# Altium PCB GDI V2.PcbDoc (part 1 of 2)
Units mil, origin at the board's own origin, x right, y up, seen from the top; angles counter-clockwise.
Board outline 3273.06 x 2662.82 mil, 2 copper layers (Top Layer, Bottom Layer); 93 components, 79 nets, 324 pads, 101 vias.
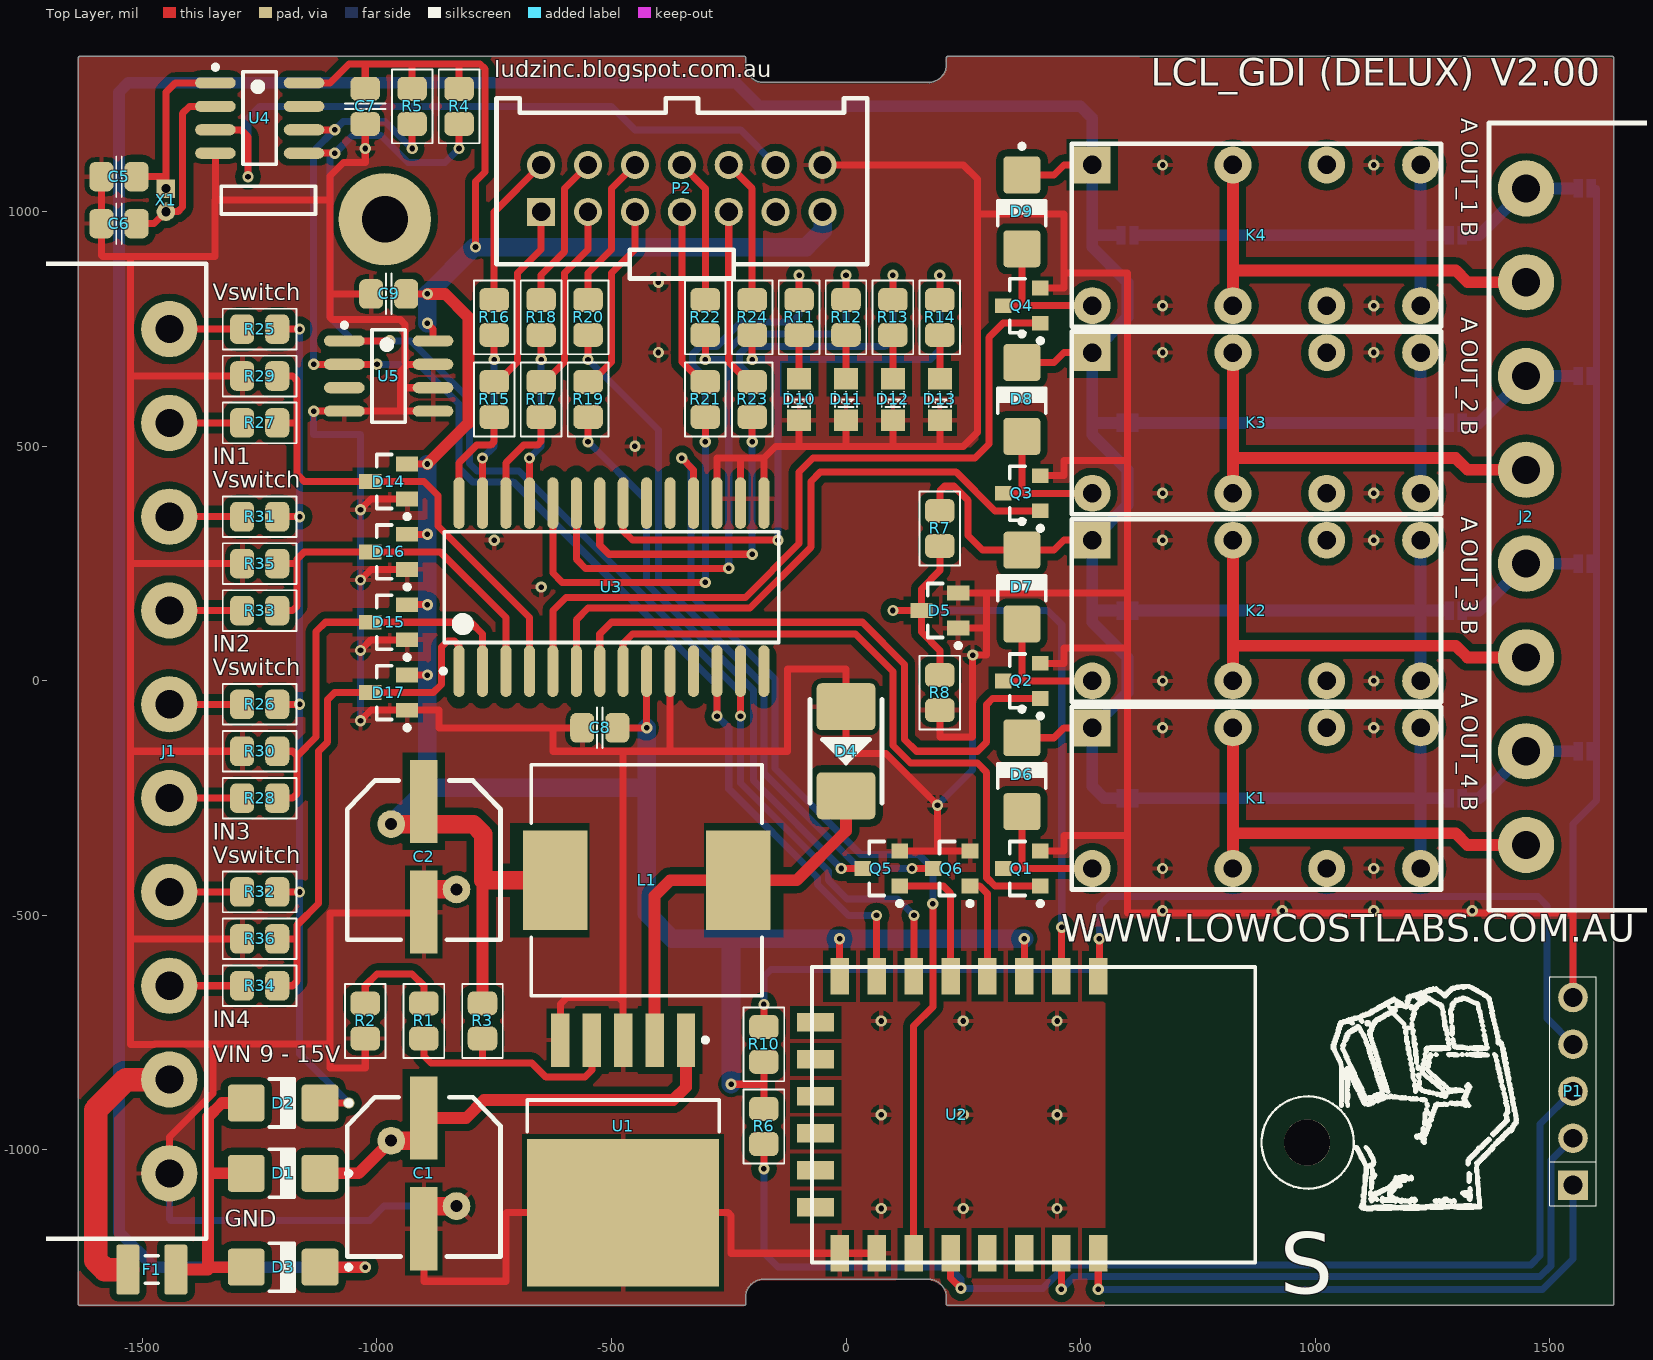
[diagram p0: Top Layer view]
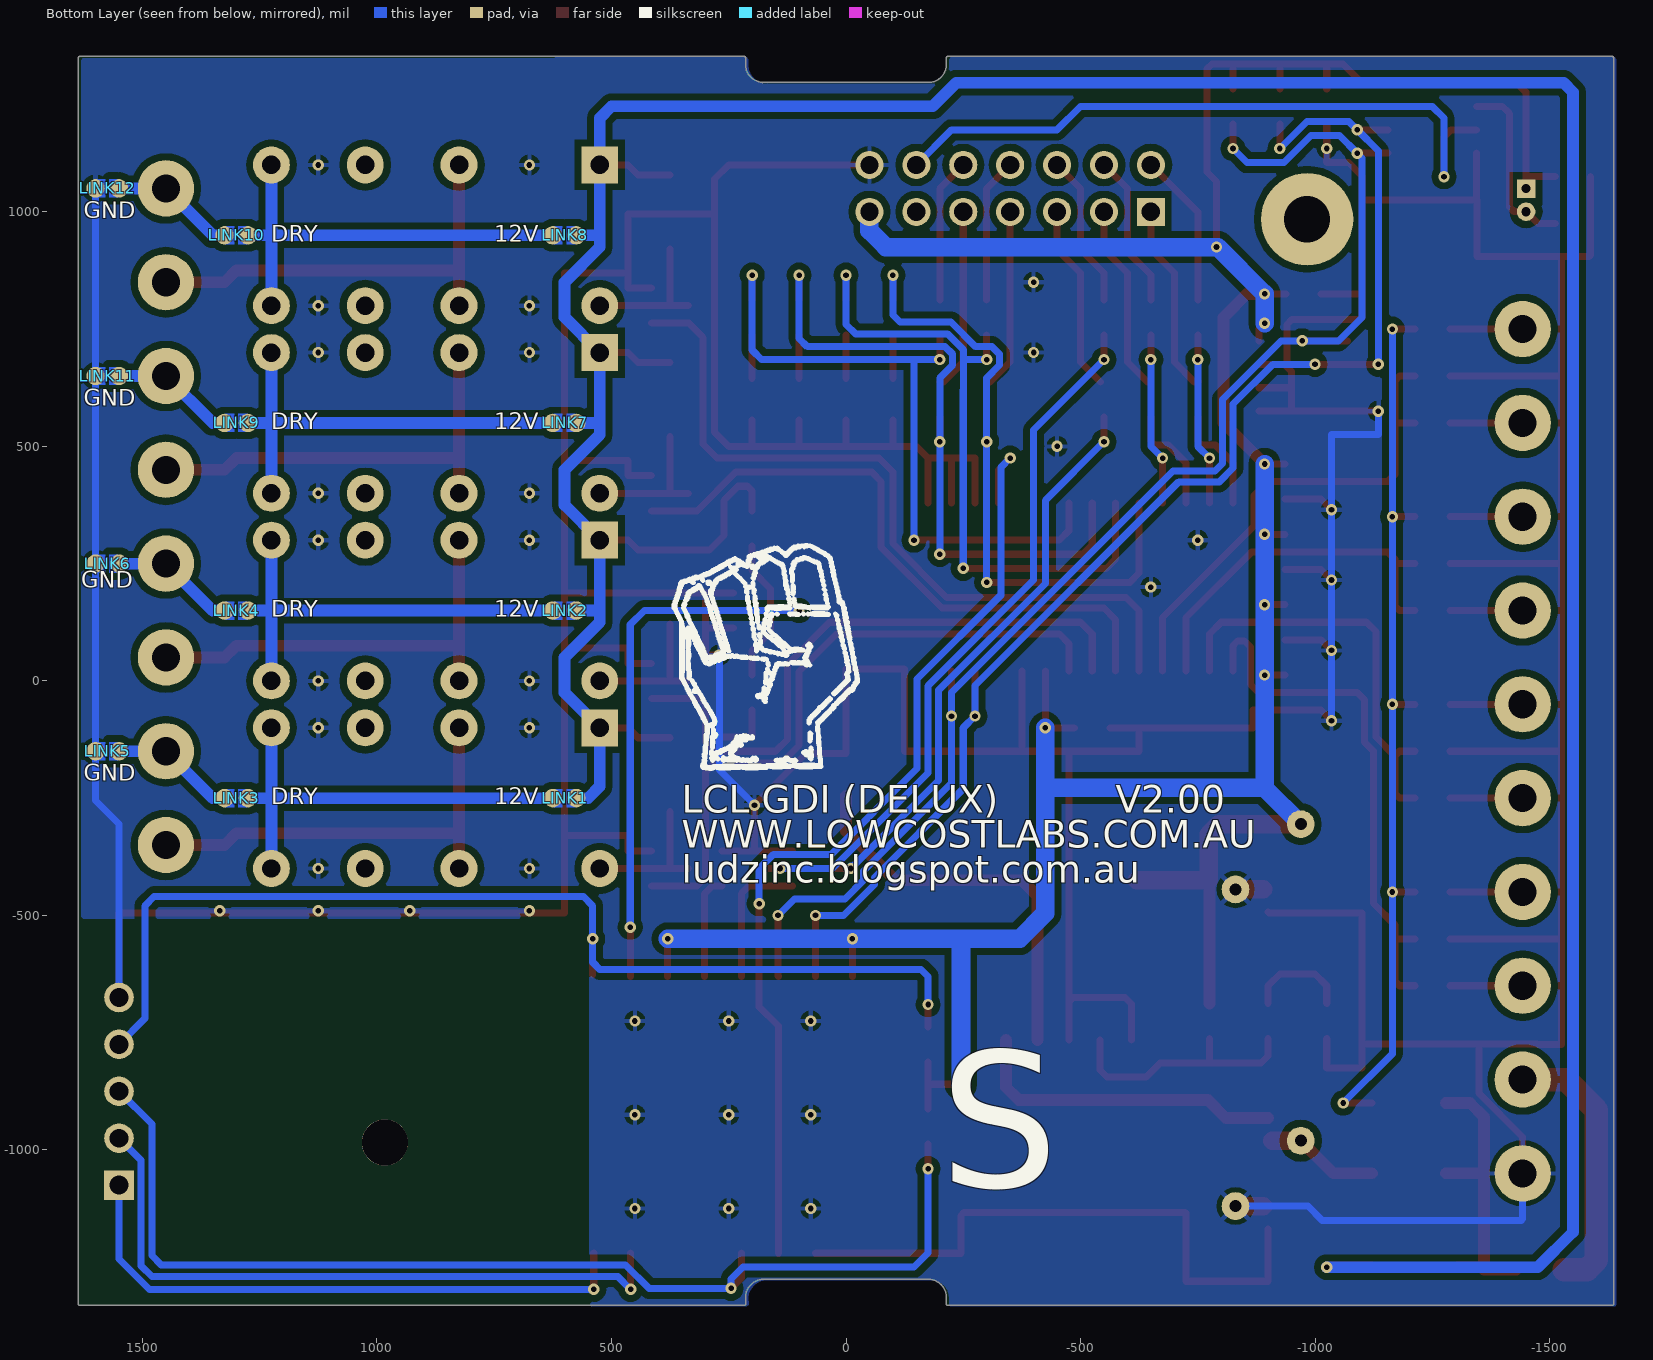
[diagram p1: Bottom Layer view, seen from below]

## Layer stack, top to bottom
Top Solder: solder mask 0.4, Solder Resist, Dk 3.5
Top Layer: signal copper 1.4
Dielectric 1: dielectric 12.6, FR-4, Dk 4.8
Bottom Layer: signal copper 1.4
Bottom Solder: solder mask 0.4, Solder Resist, Dk 3.5

## Board outline
-1634.02,-1331.41 -216.54,-1331.41 ccw(c-216.54,-1328.9) -214.02,-1328.9 -214.02,-1313 cw(c-180.93,-1313.09) -212.42,-1302.91 ccw(c-214.81,-1302.14) -212.41,-1302.89 cw(c-176.72,-1314.43) -208.17,-1293.99 ccw(c-210.27,-1292.6) -208.15,-1293.96 cw(c-174.58,-1315.62) -208.14,-1293.95 cw(c-174.58,-1315.62) -188,-1277.99 cw(c-174.58,-1315.62) -187.99,-1277.99 ccw(c-188.83,-1275.62) -187.98,-1277.98 cw(c-176.93,-1309.89) -179.78,-1276.25 ccw(c-180,-1273.74) -178.5,-1275.76 ccw(c-177.17,-1273.62) -177.17,-1276.14 177.16,-1276.14 cw(c177.07,-1309.22) 187.22,-1277.73 cw(c177.07,-1309.22) 187.24,-1277.74 ccw(c188.02,-1275.35) 187.27,-1277.75 ccw(c175.73,-1313.44) 187.25,-1277.74 cw(c188.02,-1275.35) 187.22,-1277.73 187.27,-1277.75 cw(c175.73,-1313.44) 196.19,-1282 ccw(c197.56,-1279.89) 196.22,-1282.02 cw(c174.54,-1315.57) 212.17,-1302.16 cw(c174.54,-1315.57) 212.17,-1302.17 ccw(c214.54,-1301.33) 212.17,-1302.17 cw(c180.27,-1313.23) 213.91,-1310.37 ccw(c216.42,-1310.16) 214.02,-1310.92 214.02,-1328.9 ccw(c216.54,-1328.9) 216.54,-1331.41 1634.02,-1331.41 ccw(c1634.02,-1328.9) 1636.53,-1328.9 1636.53,1328.9 ccw(c1634.02,1328.9) 1634.02,1331.41 216.54,1331.41 ccw(c216.54,1328.9) 214.02,1328.9 214.02,1313 cw(c180.93,1313.09) 212.42,1302.91 ccw(c214.81,1302.14) 212.41,1302.89 ccw(c176.72,1314.43) 212.42,1302.91 212.41,1302.89 cw(c176.72,1314.43) 208.17,1293.99 cw(c176.72,1314.43) 208.16,1293.97 ccw(c210.27,1292.6) 208.14,1293.95 ccw(c174.58,1315.62) 208.15,1293.96 cw(c210.27,1292.6) 208.17,1293.99 208.14,1293.95 cw(c174.58,1315.62) 188,1277.99 cw(c174.58,1315.62) 187.99,1277.99 ccw(c188.83,1275.62) 187.98,1277.98 ccw(c176.93,1309.89) 188,1277.99 ccw(c176.93,1309.89) 188,1277.99 187.98,1277.98 cw(c176.93,1309.89) 179.78,1276.25 ccw(c180,1273.74) 178.5,1275.76 ccw(c177.17,1273.62) 177.17,1276.14 -177.16,1276.14 cw(c-177.07,1309.22) -187.22,1277.73 cw(c-177.07,1309.22) -187.24,1277.74 ccw(c-188.02,1275.35) -187.27,1277.75 ccw(c-175.73,1313.44) -187.25,1277.74 cw(c-188.02,1275.35) -187.22,1277.73 -187.27,1277.75 cw(c-175.73,1313.44) -196.19,1282 ccw(c-197.56,1279.89) -196.22,1282.02 ccw(c-174.54,1315.57) -196.19,1282 -196.22,1282.02 cw(c-174.54,1315.57) -212.17,1302.16 cw(c-174.54,1315.57) -212.17,1302.17 ccw(c-214.54,1301.33) -212.17,1302.17 ccw(c-180.27,1313.23) -212.17,1302.16 ccw(c-180.27,1313.23) -212.17,1302.15 -212.17,1302.17 cw(c-180.27,1313.23) -213.91,1310.37 ccw(c-216.42,1310.16) -214.02,1310.92 -214.02,1328.9 ccw(c-216.54,1328.9) -216.54,1331.41 -1634.02,1331.41 ccw(c-1634.02,1328.9) -1636.53,1328.9 -1636.53,-1328.9 ccw(c-1634.02,-1328.9)

## Design rules (kind name [scope] priority, off if disabled: settings)
AssemblyTestPointUsage AssemblyTestPointUsage_1 [All] p2:
AssemblyTestpoint AssemblyTestpoint_1 [All] p2: testpointundercomponent=TRUE minsize=40 maxsize=100 preferedsize=60 minholesize=0 maxholesize=40 preferedholesize=32 testpointgrid=1 usegrid=TRUE gridtolerance=0.01 allowsidetop=TRUE allowsidebottom=TRUE
Clearance [All] p1: gap=10
Clearance Clearance_1 [All] p2: gap=8 except(15: Arc-Poly Track-Poly SMDPad-Poly THPad-Poly Via-Poly Fill-Poly Poly-Poly)
ComponentClearance ComponentClearance_1 [All] p2: gap=10 collisioncheckmode=3 verticalgap=10 showdistances=FALSE
DiffPairsRouting DiffPairsRouting_1 [All] p2: maxlimit=10 minlimit=10 mostfreqgap=10 toplayer_minwidth=15 toplayer_maxwidth=15 toplayer_prefwidth=15 bottomlayer_minwidth=15 bottomlayer_maxwidth=15 bottomlayer_prefwidth=15 maxuncoupledlength=500
FabricationTestPointUsage FabricationTestPointUsage_1 [All] p2: valid=0 allowmultiple=FALSE
FabricationTestpoint FabricationTestpoint_1 [All] p2: side=3 testpointundercomponent=TRUE minsize=40 maxsize=100 preferedsize=60 minholesize=0 maxholesize=40 preferedholesize=32 testpointgrid=1 allowsidetop=TRUE allowsidebottom=TRUE usegrid=TRUE gridtolerance=0.01
FanoutControl Fanout_LCC [IsLCC] p1: bgadir=Out bgaviamode=Centered fanoutstyle=Auto fanoutdirection=Alternating viagrid=1 // Fanout_LCC (Default Rule)
FanoutControl Fanout_BGA [IsBGA] p2: bgadir=Out bgaviamode=Centered fanoutstyle=Auto fanoutdirection=Alternating viagrid=1 // Fanout_BGA (Default Rule)
FanoutControl Fanout_Default [All] p4: bgadir=Out bgaviamode=Centered fanoutstyle=Auto fanoutdirection=Alternating viagrid=1 // Fanout_Default (Default Rule)
FanoutControl Fanout_Small [(CompPinCount < 5)] p5: bgadir=Out bgaviamode=Centered fanoutstyle=Auto fanoutdirection=OutThenIn viagrid=1 // Fanout_Small (Default Rule)
FanoutControl Fanout_BGA_1 [IsBGA] p6: bgadir=Out bgaviamode=Centered fanoutstyle=Auto fanoutdirection=Alternating viagrid=1 // Fanout_BGA (Default Rule)
FanoutControl Fanout_LCC_1 [IsLCC] p7: bgadir=Out bgaviamode=Centered fanoutstyle=Auto fanoutdirection=Alternating viagrid=1 // Fanout_LCC (Default Rule)
FanoutControl Fanout_SOIC_1 [IsSOIC] p8: bgadir=Out bgaviamode=Centered fanoutstyle=Auto fanoutdirection=Alternating viagrid=1 // Fanout_SOIC (Default Rule)
FanoutControl Fanout_Small_1 [(CompPinCount < 5)] p9: bgadir=Out bgaviamode=Centered fanoutstyle=Auto fanoutdirection=OutThenIn viagrid=1 // Fanout_Small (Default Rule)
FanoutControl Fanout_Default_1 [All] p10: bgadir=Out bgaviamode=Centered fanoutstyle=Auto fanoutdirection=Alternating viagrid=1 // Fanout_Default (Default Rule)
Height Height_1 [All] p2: minheight=0 maxheight=1000 prefheight=500
HoleSize HoleSize_1 [All] p2: absolutevalues=TRUE maxlimit=100 minlimit=1 maxpercent=80.000 minpercent=20.000
HoleToHoleClearance HoleToHoleClearance_1 [All] p2: gap=10 allowstackedmicrovias=TRUE
LayerPairs LayerPairs_1 [All] p2: enforce=TRUE
MinimumSolderMaskSliver MinimumSolderMaskSliver_1 [All] p2: minsoldermaskwidth=10
NetAntennae NetAntennae_1 [All] p2: netantennaetolerance=0
PasteMaskExpansion PasteMaskExpansion_1 [All] p2: expansion=0
PlaneClearance PlaneClearance_1 [All] p2: clearance=20
PlaneConnect PlaneConnect_1 [All] p2: planeconnectstyle=Relief reliefexpansion=20 reliefentries=4 reliefconductorwidth=10 reliefairgap=10
PolygonConnect [All] p1: connectstyle=Relief reliefconductorwidth=10 reliefentries=4 polygonreliefangle="90 Angle" airgapwidth=10
PolygonConnect PolygonConnect_1 [All] p2: connectstyle=Relief reliefconductorwidth=10 reliefentries=4 polygonreliefangle="90 Angle" airgapwidth=10
RoutingCorners RoutingCorners_1 [All] p2: cornerstyle=45-Degree minsetback=100 maxsetback=100
RoutingLayers RoutingLayers_1 [All] p2: top layer_v5=TRUE bottom layer_v5=TRUE
RoutingPriority RoutingPriority_1 [All] p2: routingpriority=0
RoutingTopology RoutingTopology_1 [All] p2: topology=Shortest
RoutingVias [All] p1: holewidth=28 width=50 viastyle="Through Hole" minholewidth=28 minwidth=50 maxholewidth=28 maxwidth=50
RoutingVias RoutingVias_1 [All] p2: holewidth=12 width=24 viastyle="Through Hole" minholewidth=12 minwidth=24 maxholewidth=28 maxwidth=50
ShortCircuit ShortCircuit_1 [All] p2: allowed=FALSE
SilkToBoardRegionClearance SilkToBoardRegionClearance_1 [All] p2 off:
SilkToSilkClearance SilkToSilkClearance_1 [All] p2 off: silktosilkclearance=10
SilkToSolderMaskClearance SilkToSolderMaskClearance_1 [IsPad] p2 off: minsilkscreentomaskgap=10 clearancetoexposedcopper=TRUE
SolderMaskExpansion [All] p1: expansion=4
SolderMaskExpansion SolderMaskExpansion_1 [All] p2: expansion=4
UnRoutedNet UnRoutedNet_1 [All] p2:
UnpouredPolygon UnpouredPolygon_1 [All] p2:
Width [All] p1: maxlimit=10 minlimit=10 preferedwidth=10
Width Width_1 [All] p2: maxlimit=250 minlimit=8 preferedwidth=10
26 further rules are at their usual default settings.

## Classes and differential pairs
component class U_Peripherals: C5 C6 C7 C8 C9 D10 D11 D12 D13 R11 R12 R13 R14 U3 U4 U5 X1
component class U_ESP8266-12-E: D5 R4 R5 R6 R7 R8 R10 U2
component class "U_Door Buttons": P2 Q5 Q6 R15 R16 R17 R18 R19 R20 R21 R22 R23 R24
component class U_Relays: D6 D7 D8 D9 K1 K2 K3 K4 LINK1 LINK2 LINK3 LINK4 LINK5 LINK6 LINK7 LINK8 LINK9 LINK10 LINK11 LINK12 Q1 Q2 Q3 Q4
component class "U_Power Supply": C1 C2 D1 D2 D3 D4 F1 L1 R1 R2 R3 U1
component class "Garage Interface": J1 J2 P1
component class "U_Door Position Monitoring": D14 D15 D16 D17 R25 R26 R27 R28 R29 R30 R31 R32 R33 R34 R35 R36

## Components (designator, comment, footprint, x,y, rotation, side; value= is the part's Value field where it differs from the comment)
C1 "680uF" PCB-jznsty645daf9i4vncxx-1 -900,-1050 r90 top
C2 "470uF" PCB-jznsty645daf9i4vncxx-1 -900,-375 r90 top
C5 "22pF" PCB-vlqtv48lgr288fxw4eza-1 -1550,1075 r0 top
C6 "22pF" PCB-vlqtv48lgr288fxw4eza-1 -1550,975 r0 top
C7 "100nF" PCB-vlqtv48lgr288fxw4eza-1 -1025,1225 r90 top
C8 "100nF" PCB-vlqtv48lgr288fxw4eza-1 -525,-100 r0 top
C9 "100nF" PCB-vlqtv48lgr288fxw4eza-1 -975,825 r0 top
D1 "Vishay / Semiconductors S1MHE3/61T" ONSC-SMA-2-403D-02_V -1200,-1050 r180 top
D2 "Vishay / Semiconductors S1MHE3/61T" ONSC-SMA-2-403D-02_V -1200,-900 r180 top
D3 "Vishay / Semiconductors S1MHE3/61T" ONSC-SMA-2-403D-02_V -1200,-1250 r180 top
D4 "SS34" PCB-16344855-1 0,-150 r90 top
D5 "BAV99" ONSC-SOT-23-3-318-08_V#1 200,150 r180 top
D6 "Vishay / Semiconductors S1MHE3/61T" ONSC-SMA-2-403D-02_V 375,-200 r270 top
D7 "Vishay / Semiconductors S1MHE3/61T" ONSC-SMA-2-403D-02_V 375,200 r270 top
D8 "Vishay / Semiconductors S1MHE3/61T" ONSC-SMA-2-403D-02_V 375,600 r270 top
D9 "Vishay / Semiconductors S1MHE3/61T" ONSC-SMA-2-403D-02_V 375,1000 r270 top
D10 "LED 0805 RED" PCB-1071566-1 -100,600 r90 top
D11 "LED 0805 YELLOW" PCB-jd3vqu3yujcdtm6p0xhq-1 0,600 r90 top
D12 "LED 0805 GREEN" PCB-1071566-1 100,600 r90 top
D13 "LED 0805 BLUE" PCB-kse1vp9j500ix6ujga0m-1 200,600 r90 top
D14 "BAV99" ONSC-SOT-23-3-318-08_V#1 -975,425 r180 top
D15 "BAV99" ONSC-SOT-23-3-318-08_V#1 -975,125 r180 top
D16 "BAV99" ONSC-SOT-23-3-318-08_V#1 -975,275 r180 top
D17 "BAV99" ONSC-SOT-23-3-318-08_V#1 -975,-25 r180 top
F1 "1210L110/12WR" PCB-8881447-1 -1480,-1255 r0 top
J1 "Phoenix Contact MSTBA 2,5/10-G-5,08-LR" PCB-724730-1#1 -1600,-150 r270 top
J2 "Phoenix Contact MSTBA 2,5/ 8-G-5,08-LR" PCB-724730-1#2 1600,350 r90 top
K1 "Panasonic DS2Y-S-DC12V" PCB-d08qloczi00j7cf9smyl-1 875,-250 r180 top
K2 "Panasonic DS2Y-S-DC12V" PCB-d08qloczi00j7cf9smyl-1 875,150 r180 top
K3 "Panasonic DS2Y-S-DC12V" PCB-d08qloczi00j7cf9smyl-1 875,550 r180 top
K4 "Panasonic DS2Y-S-DC12V" PCB-d08qloczi00j7cf9smyl-1 875,950 r180 top
L1 "33µH 3A" WE-PD-L -425,-425 r180 top
LINK1 "SOLDER JUMPER" PCB-btzmmfon80v3o3bq8yuz-1 600,-250 r0 bottom
LINK2 "Solder Jumper" PCB-btzmmfon80v3o3bq8yuz-1 600,150 r0 bottom
LINK3 "Solder Jumper" PCB-btzmmfon80v3o3bq8yuz-1 1300,-250 r0 bottom
LINK4 "Solder Jumper" PCB-btzmmfon80v3o3bq8yuz-1 1300,150 r0 bottom
LINK5 "Solder Jumper" PCB-btzmmfon80v3o3bq8yuz-1 1575,-150 r0 bottom
LINK6 "Solder Jumper" PCB-btzmmfon80v3o3bq8yuz-1 1575,250 r0 bottom
LINK7 "SOLDER JUMPER" PCB-btzmmfon80v3o3bq8yuz-1 600,550 r0 bottom
LINK8 "Solder Jumper" PCB-btzmmfon80v3o3bq8yuz-1 600,950 r0 bottom
LINK9 "Solder Jumper" PCB-btzmmfon80v3o3bq8yuz-1 1300,550 r0 bottom
LINK10 "Solder Jumper" PCB-btzmmfon80v3o3bq8yuz-1 1300,950 r0 bottom
LINK11 "Solder Jumper" PCB-btzmmfon80v3o3bq8yuz-1 1575,650 r0 bottom
LINK12 "Solder Jumper" PCB-btzmmfon80v3o3bq8yuz-1 1575,1050 r0 bottom
P1 "TE Connectivity 825433-5" PCB-xti7u9j93a3qzo3mq4li-1 1550,-875 r90 top
P2 "Molex 90130-1114" PCB-642648-1 -350,1050 r0 top
Q1 "MMUN2211LT1G" ONSC-SOT-23-3-318-08_V#2 375,-400 r180 top
Q2 "MMUN2211LT1G" ONSC-SOT-23-3-318-08_V#2 375,0 r180 top
Q3 "MMUN2211LT1G" ONSC-SOT-23-3-318-08_V#2 375,400 r180 top
Q4 "MMUN2211LT1G" ONSC-SOT-23-3-318-08_V#2 375,800 r180 top
Q5 "MMUN2211LT1G" ONSC-SOT-23-3-318-08_V#2 75,-400 r180 top
Q6 "MMUN2211LT1G" ONSC-SOT-23-3-318-08_V#2 225,-400 r180 top
R1 "1k2" PCB-3652081-2 -900,-725 r90 top
R2 "150R" PCB-3652081-2 -1025,-725 r270 top
R3 "2k2" PCB-3652081-2 -775,-725 r90 top
R4 "10k" PCB-3652081-2 -825,1225 r270 top
R5 "10k" PCB-3652081-2 -925,1225 r90 top
R6 "10k" PCB-3652081-2 -175,-950 r90 top
R7 "15k" PCB-3652081-2 200,325 r90 top
R8 "1k" PCB-3652081-2 200,-25 r90 top
R10 "10k" PCB-3652081-2 -175,-775 r270 top
R11 "470R" PCB-3652081-2 -100,775 r270 top
R12 "470R" PCB-3652081-2 0,775 r270 top
R13 "470R" PCB-3652081-2 100,775 r270 top
R14 "470R" PCB-3652081-2 200,775 r270 top
R15 "1k" PCB-3652081-2 -750,600 r270 top
R16 "1k" PCB-3652081-2 -750,775 r270 top
R17 "1k" PCB-3652081-2 -650,600 r270 top
R18 "1k" PCB-3652081-2 -650,775 r270 top
R19 "470R" PCB-3652081-2 -550,600 r270 top
R20 "470R" PCB-3652081-2 -550,775 r270 top
R21 "470R" PCB-3652081-2 -300,600 r270 top
R22 "470R" PCB-3652081-2 -300,775 r270 top
R23 "470R" PCB-3652081-2 -200,600 r270 top
R24 "470R" PCB-3652081-2 -200,775 r270 top
R25 "22k" PCB-3652081-2 -1250,750 r0 top
R26 "22k" PCB-3652081-2 -1250,-50 r0 top
R27 "22k" PCB-3652081-2 -1250,550 r180 top
R28 "22k" PCB-3652081-2 -1250,-250 r180 top
R29 "10k" PCB-3652081-2 -1250,650 r0 top
R30 "10k" PCB-3652081-2 -1250,-150 r0 top
R31 "22k" PCB-3652081-2 -1250,350 r0 top
R32 "22k" PCB-3652081-2 -1250,-450 r0 top
R33 "22k" PCB-3652081-2 -1250,150 r180 top
R34 "22k" PCB-3652081-2 -1250,-650 r180 top
R35 "10k" PCB-3652081-2 -1250,250 r0 top
R36 "10k" PCB-3652081-2 -1250,-550 r0 top
U1 "LM2596S-ADJ" TS5B_L -475,-1000 r270 top
U2 "ESP8266-12-E" ESP-12E 400,-925 r270 top
U3 "Microchip MCP23017-E/SO" SOIC-SO28_N -500,200 r90 top
U4 "DS1338Z" SOIC-SN8_N -1250,1200 r0 top
U5 "TCN75AVOA713" SOIC-OA8_N -975,650 r0 top
X1 "32.768KHz" ABRA-AB15T-2_V -1450,1025 r180 top

## Footprints (in the part's own frame and the unit in brackets; to place one, negate y for a bottom-side part, rotate by r counter-clockwise, add the part's x,y. Pads: shape width x height; smd on the part's side, far side on the other; paste and mask are expansions set on the pad)
ABRA-AB15T-2_V [mm] "THD, 2-Leads, Body 5.1x1.5mm, Height 1.5mm"
  rect 1x1 hole 0.5: 1(0,-0.627)
  round 1 hole 0.5: 2(0,0.627)
  silkscreen extent -8.1,-0.75 -3,0.75, body extent -8.1,-0.77 0.1,0.75, height 1.5
ESP-12E [mm]
  rect 2x1 smd: 1(-7.5,3.5) 2(-7.5,1.5) 3(-7.5,-0.5) 4(-7.5,-2.5) 5(-7.5,-4.5) 6(-7.5,-6.5) 7(-7.5,-8.5) 8(-7.5,-10.5) 15(7.5,-10.5) 16(7.5,-8.5) 17(7.5,-6.5) 18(7.5,-4.5) 19(7.5,-2.5) 20(7.5,-0.5) 21(7.5,1.5) 22(7.5,3.5)
  rect 1x2 smd: 9(-5,-11.8) 10(-3,-11.8) 11(-1,-11.8) 12(1,-11.8) 13(3,-11.8) 14(5,-11.8)
  silkscreen extent -8,-12 8,12, body extent -8.01,-12.03 8.01,12, height 3.82
ONSC-SMA-2-403D-02_V [mm] "Molded, 2-Leads, Body 4.57x2.92mm"
  rrect20% 2x2 smd: 1(2,0) 2(-2,0)
  silkscreen extent -3.68,-1.3 0.74,1.3, body extent -2.64,-1.46 2.64,1.46, height 2.42
ONSC-SOT-23-3-318-08_V#1 [mm] "SOT23, 3-Leads, Body 2.92x1.3mm, Pitch 0.95mm"
  rect 1.2x0.8 smd: 1(-1,0.95) 2(-1,-0.95) 3(1,0)
  silkscreen extent -1.13,-1.46 0.65,2.02, body extent -1.4,-1.45 1.4,1.45, height 1.3
ONSC-SOT-23-3-318-08_V#2 [mm] "SOT23, 3-Leads, Body 2.92x1.3mm, Pitch 0.95mm"
  rect 0.9x0.8 smd: 1(-1,0.95) 2(-1,-0.95) 3(1,0)
  silkscreen extent -1.13,-1.46 0.65,2.02, body extent -0.65,-1.46 0.65,1.46, height 1.11
PCB-642648-1 [mil]
  rect 60x60 hole 39: 1(-300,-50)
  round 60 hole 39: 2(-300,50) 3(-200,-50) 4(-200,50) 5(-100,-50) 6(-100,50) 7(0,-50) 8(0,50) 9(100,-50) 10(100,50) 11(200,-50) 12(200,50) 13(300,-50) 14(300,50)
  silkscreen extent -395,-192 395,192, body extent -396,-192 396,192, height 430
PCB-724730-1#1 [mil]
  round 120 hole 60: 1(-900.05,157.33) 2(-700.05,157.33) 3(-500.05,157.33) 4(-300.05,157.33) 5(-100.05,157.33) 6(99.95,157.33) 7(299.95,157.33) 8(499.95,157.33) 9(699.95,157.33) 10(899.95,157.33)
  silkscreen extent -1039,-236 1039,236, body extent -1039,-626 1039,236, height 591
PCB-724730-1#2 [mil]
  round 120 hole 60: 1(-700,150) 2(-500,150) 3(-300,150) 4(-100,150) 5(100,150) 6(300.05,150) 7(500.05,150) 8(700.05,150)
  silkscreen extent -839,-244 839,229, body extent -839,-633 839,229, height 591
PCB-1071566-1 [mm]
  rect 1.15x1.3 smd: A(1.125,0) K(-1.125,0)
  silkscreen extent -0.4,-0.6 0.4,0.6, body extent -1.01,-0.62 1.01,0.63, height 1.1
PCB-3652081-2 [mm] "0805 RESISTOR"
  rrect50% 1.3x1.6 smd: 1(-0.95,0) 2(0.95,0)
  silkscreen extent -2,-1.1 2,1.1, body extent -1.25,-0.62 1.25,0.62, height 0.82
PCB-8881447-1 [mm]
  rrect20% 1.25x2.7 smd: 1(-1.3,0) 2(1.3,0)
  silkscreen extent -0.35,-0.75 0.35,0.75, body extent -1.61,-1.29 1.61,1.29, height 0.69
PCB-16344855-1 [mil]
  rrect20% 100x125 smd: 1(95,0) 2(-95,0)
  silkscreen extent -110,-77 110,77, body extent -110,-77 110,77, height 105
PCB-btzmmfon80v3o3bq8yuz-1 [mm]
  rrect100% 1x1 smd: 1(-0.635,0) 2(0.635,0)
  Top Layer region: 0.6,-0.5 0.1,-0.5 0.1,0.5 0.6,0.5
  Top Layer region: -0.6,0.5 -0.1,0.5 -0.1,-0.5 -0.6,-0.5
PCB-d08qloczi00j7cf9smyl-1 [mm]
  rect 2x2 hole 1: 1(8.89,-3.81)
  round 2 hole 1: 4(1.27,-3.81) 6(-3.81,-3.81) 8(-8.89,-3.81) 9(-8.89,3.81) 11(-3.81,3.81) 13(1.27,3.81) 16(8.89,3.81)
  silkscreen extent -10,-4.95 10,4.95, body extent -10,-4.95 10,4.95, height 9.91
PCB-jd3vqu3yujcdtm6p0xhq-1 [mm]
  rect 1.15x1.3 smd: A(1.125,0) K(-1.125,0)
  silkscreen extent -0.4,-0.6 0.4,0.6, body extent -1.01,-0.62 1.01,0.63, height 1.1
PCB-jznsty645daf9i4vncxx-1 [mm]
  round 1.5 hole 0.65: 1(1.768,1.768) 2(-1.768,-1.768)
  rect 4.5x1.5 smd: 1(3,0) 2(-3,0)
  Top Layer lines w1: 1.768,1.768 1.768,0.232 ; -1.768,-0.268 -1.768,-1.768
  silkscreen extent -4.5,-4.15 4.13,4.15, body extent -4.5,-4.15 4.5,4.15, height 6.2
PCB-kse1vp9j500ix6ujga0m-1 [mm]
  rect 1.15x1.3 smd: A(1.125,0) K(-1.125,0)
  silkscreen extent -0.4,-0.6 0.4,0.6, body extent -1.01,-0.62 1.01,0.63, height 1.1
PCB-vlqtv48lgr288fxw4eza-1 [mm]
  rrect50% 1.3x1.6 smd: 1(-0.95,0) 2(0.95,0)
  silkscreen extent -0.15,-1.1 0.15,1.1, body extent -1.25,-0.62 1.25,0.62, height 0.82
PCB-xti7u9j93a3qzo3mq4li-1 [mm]
  rect 1.6x1.6 hole 1.02: 1(-5.08,0)
  round 1.6 hole 1.02: 2(-2.54,0) 3(0,0) 4(2.54,0) 5(5.08,0)
  silkscreen extent -6.19,-1.25 6.19,1.25, body extent -6.22,-1.18 6.22,1.18, height 10.43
SOIC-OA8_N [mm] "SOIC, 8-Leads, Body 4.9x3.9mm, Pitch 1.27mm, IPC Medium Density"
  oval 2.2x0.6 smd: 1(-2.4,1.905) 2(-2.4,0.635) 3(-2.4,-0.635) 4(-2.4,-1.905) 5(2.4,-1.905) 6(2.4,-0.635) 7(2.4,0.635) 8(2.4,1.905)
  silkscreen extent -2.52,-2.5 0.9,2.88, body extent -3,-2.45 3,2.45, height 1.75
SOIC-SN8_N [mm] "SOIC, 8-Leads, Body 4.9x3.9mm, Pitch 1.27mm, IPC Medium Density"
  oval 2.2x0.6 smd: 1(-2.4,1.905) 2(-2.4,0.635) 3(-2.4,-0.635) 4(-2.4,-1.905) 5(2.4,-1.905) 6(2.4,-0.635) 7(2.4,0.635) 8(2.4,1.905)
  silkscreen extent -2.52,-2.5 0.9,2.88, body extent -2,-2.5 2,2.5, height 1.75
SOIC-SO28_N [mm] "SOIC, 28-Leads, Body 17.9x7.5mm, Pitch 1.27mm, IPC Medium Density"
  oval 2.8x0.6 smd: 1(-4.55,8.255) 2(-4.55,6.985) 3(-4.55,5.715) 4(-4.55,4.445) 5(-4.55,3.175) 6(-4.55,1.905) 7(-4.55,0.635) 8(-4.55,-0.635) 9(-4.55,-1.905) 10(-4.55,-3.175) 11(-4.55,-4.445) 12(-4.55,-5.715) 13(-4.55,-6.985) 14(-4.55,-8.255) 15(4.55,-8.255) 16(4.55,-6.985) 17(4.55,-5.715) 18(4.55,-4.445) 19(4.55,-3.175) 20(4.55,-1.905) 21(4.55,-0.635) 22(4.55,0.635) 23(4.55,1.905) 24(4.55,3.175) 25(4.55,4.445) 26(4.55,5.715) 27(4.55,6.985) 28(4.55,8.255)
  silkscreen extent -4.67,-9.05 3,9.23, body extent -5.32,-8.76 5.32,8.76, height 1.73
TS5B_L [mm] "D2-PAK, 6-Leads, Body 8.6x10.2mm, Pitch 1.7mm, Lead Span 14.1mm, IPC High Density"
  rect 2.9x1 smd: 1(-5.95,3.4) 2(-5.95,1.7) 3(-5.95,0) 4(-5.95,-1.7) 5(-5.95,-3.4)
  rect 8x10.4 smd: 5(3.4,0)
  silkscreen extent -6.07,-5.2 -1,5.2, body extent -6.98,-5.08 7.03,5.08, height 4.57
WE-PD-L [mm] "SMD Inductor, 2-Leads, Body 12.0 x 12.0 mm"
  rect 3.5x5.4 smd: 1(-4.953,0) 2(4.95,0)
  silkscreen extent -6.25,-6.25 6.25,6.25, body extent -6,-6 6,6, height 5.98

## Part data
C1 C2: library part CMP-jznsty645daf9i4vncxx-1, "Capacitor Electrolytic E-Case (8mm Diameter)"
C5 C6 C7 C8 C9: library part CMP-hzp74w7y18pxh5z0pr7s-1, "GENERIC 0805 CAPACITOR"
D1 D2 D3 D6 D7 D8 D9: library part "Vishay / Semiconductors S1MHE3/61T-4", "DIODE GPP 1A 1000V SMA DO-214AC"
D4: library part "Fairchild Semiconductor SS34-2", "DIODE SCHOTTKY 40V 3A SMC"
D5 D14 D15 D16 D17: library part CMP-10548246-4, "Dual Series Switching Diodes, 3-Pin SOT-23, Pb-Free, Tape and Reel"
D10: library part CMP-hyfk0d9q8jygmed95nz1-2
D11: library part CMP-jd3vqu3yujcdtm6p0xhq-2
D12: library part CMP-qw5bzvzxueusztn5titj-1
D13: library part CMP-kse1vp9j500ix6ujga0m-3
F1: library part CMP-8881447-2, "PTC 12V POLYFUSE SMT 1210 1.10A"
J1: library part CMP-eaf52240fd3f3532-1, "Header, Right Angle, 5.08mm, 10way"
J2: library part CMP-e6fb2e4ef137393c-1, "Header, Right Angle, 5.08mm, 8way"
K1 K2 K3 K4: library part CMP-a9a660dd73707661-2, "Relay; E-Mech; non-Latching; DPDT-NO/NC; Cur-Rtg 2A; Ctrl-V 12DC; Vol-Rtg 250/220AC/DC"
L1: library part CMP-pndpqninr9wk38ord9ee-1, "SMD POWER INDUCTOR 12 x 12 mm"
LINK1 LINK7: library part CMP-awopsk420h7r935fi2ee-3
LINK2 LINK3 LINK4 LINK5 LINK6 LINK8 LINK9 LINK10 LINK11 LINK12: library part CMP-awopsk420h7r935fi2ee-3, "SOLDER JUMPER"
P1: library part CMP-a17c6af386817ebb-11, "Conn Unshrouded Header HDR 5 POS 2.54mm Solder ST Thru-Hole"
P2: library part CMP-f8023102ddab27c5-1, "Conn Shrouded Header HDR 14 POS 2.54mm Solder ST Thru-Hole C-Grid IIIá?�?Tray"
Q1 Q2 Q3 Q4 Q5 Q6: library part CMP-866803-1, "Digital Transistor (BRT), R1=10 kOhm, R2=10 kOhm, NPN Transistor, 3-Pin SOT-23, Pb-Free, Tape and Reel"
R1 R2 R3 R4 R5 R6 R7 R8 R10 R11 R12 R13 R14 R15 R16 R17 R18 R19 R20 R21 R22 R23 R24 R25 R26 R27 R28 R29 R30 R31 R32 R33 R34 R35 R36: library part CMP-rprrpiwz7au7w5x5ojb2-2, "GENERIC 0805 RESISTOR"
U1: library part LM2596S-ADJ-4, "SIMPLE SWITCHER® Power Converter 150 KHz 3A Step-Down Voltage Regulator, 5-pin TO-263"
U2: library part CMP-2c9ce6e9266cf35b-4, "ESP8266-12-E Wifi Module"
U3: library part CMP-1159041-5, "MCP23017 Series 5.5 V 1.7 MHz SMT 16-Bit I2C I/O Expander - SOIC-28"
U4: library part CMP-1020935-2, "Low-Cost I2C Real-Time Clock/Calendar with SRAM and Battery Switchover, 8-Pin SOIC, Industrial Temperature"
U5: library part TCN75AVOA713-2, "2-Wire Serial Temperature Sensor, 8-Pin SOIC, Extended Temperature, Tape and Reel"
X1: library part CMP-781972-4, "Low Frequency Cylindrical Watch Crystal, 32.768 kHz, -20 to 70 degC, 2-Pin 5 x 1.4 x 1.5 mm THD, RoHS, Bulk"

## Free pads (board coordinates)
  round 10 on Mech16: 1(5082.1,-3582.94) 1(5082.1,-3582.94) 1(5082.62,-3660.05) 1(5082.62,-3660.05) 1(5269.4,-3515.17) 1(5269.4,-3515.17)
  round 196.85 hole 98.43: MOUNT(-983.15,984.25)
  round 98.43 hole 98.43 unplated: MOUNT(983.15,-984.25)

## Via types
v1: diameter 24, hole 12, Top Layer to Bottom Layer, 101 vias

## Nets (pads, with @x,y where several pads share a name; then routed paths per layer and width w, separated by ;. In a path a pad name is that pad's centre, name@x,y a point inside that pad or via, vN(x,y) a via of type N, cw(c..) or ccw(c..) an arc to the next point about the centre after c; other vN are vias at no path point)
3V3: C2.1 C7.2 C8.2 C9.2 D14.2 D15.2 D16.2 D17.2 L1.2 P2.13 R3.2 R4.1 R5.2 R6.2 R10.2 U2.3 U2.8 U3.9 U4.8 U5.8 | length 6704.6
  Top Layer w15: U4.8@-1155.51,1275 -1100,1275 -1060,1315 -1025,1315 ; C7.2@-1025,1262.4 -1025,1315 ; C9.2@-937.6,825 v1(-892.4,825) ; D17.2@-935.63,12.4 v1(-892.4,12.4) ; D15.2@-935.63,162.4 v1(-892.4,162.4) ; D16.2@-935.63,312.4 v1(-892.4,312.4) ; D14.2@-935.63,462.4 v1(-892.4,462.4) ; R5.2@-925,1262.4 -925,1315 ; v1(-892.4,762.4) -880.51,750.51 U5.8@-880.51,725 ; R4.1@-825,1262.4 -825,1315 ; v1(-790,925) -790,1065 -770,1085 -770,1305 -780,1315 -925,1315 ; C8.2@-487.6,-100 v1(-425,-100) U3.9@-425,20.87 ; v1(-245,-860) -175,-860 ; R6.2@-175,-912.6 -175,-860 ; R10.2@-175,-812.4 -175,-860 ; U2.8@-13.39,-629.72 v1@-13.39,-550.32 ; v1(380,-550) 380.32,-550.32 U2.3@380.32,-629.72 ; -1025,1315 -925,1315
  Top Layer w25: v1(-892.4,462.4) -805,549.8 -805,775 -855,825 v1(-892.4,825) ; R3.2@-775,-687.6 -775,-425 -773.19,-425
  Top Layer w39.37: C2.1@-969.6,-305.4 -909.14,-305.4 -794.6,-305.4 -773.19,-326.81 -773.19,-425 L1.2@-619.88,-425
  Bottom Layer w39.37: C2.1@-969.6,-305.4 -892.4,-228.21 ; v1(-892.4,462.4) v1(-892.4,312.4) v1(-892.4,162.4) v1(-892.4,12.4) -892.4,-228.21 ; v1(-892.4,762.4) v1(-892.4,825) -792.4,925 v1(-790,925) -85,925 -50,960 P2.13@-50,1000 ; v1(-425,-100) -425,-228.21 ; -245,-550 -370,-550 -425,-495 -425,-228.21 ; -892.4,-228.21 -425,-228.21
  Bottom Layer w40: v1(-245,-860) -245,-550 v1(-13.7,-550) v1(380,-550)
12V: D3.2 D6.2 D7.2 D8.2 D9.2 K1.1 K2.1 K3.1 K4.1 LINK1.1 LINK2.1 LINK7.1 LINK8.1 R7.2 | length 8134.6
  Top Layer w15: R7.2@200,362.4 200,405 210,415 230,415 260,385 260,310 291.26,278.74 443.74,278.74 ; D6.2@375,-121.26 443.74,-121.26 465,-100 K1.1@525,-100 ; D7.2@375,278.74 443.74,278.74 ; D8.2@375,678.74 443.74,678.74 465,700 K3.1@525,700 ; D9.2@375,1078.74 443.74,1078.74 465,1100 K4.1@525,1100 ; 443.74,278.74 465,300 ; 443.74,278.74 465,300 ; 465,300 K2.1@525,300 465,300
  Top Layer w25: D3.2@-1121.26,-1250 v1(-1025,-1250)
  Bottom Layer w25: v1(-1025,-1250) -1475,-1250 -1550,-1175 -1550,1255 -1530,1275 -235,1275 -185,1225 500,1225 525,1200 K4.1@525,1100 525,950 ; LINK1.1@575,-250 550,-250 525,-225 K1.1@525,-100 600,-25 600,50 525,125 525,150 ; LINK2.1@575,150 525,150 ; LINK7.1@575,550 525,550 ; LINK8.1@575,950 525,950 ; 525,150 K2.1@525,300 600,375 600,450 525,525 525,550 ; 525,550 K3.1@525,700 600,775 600,850 525,925 525,950
BUTTON_LED_1: Q5.3 R19.2 | length 1227
  Top Layer w15: v1(-550,510) R19.2@-550,562.6 ; v1@0,-400 Q5.3@35.63,-400
  Bottom Layer w15: v1(-550,510) -425,385 -425,207.53 -197.5,-19.97 -197.5,-212.5 v1(-10,-400) v1@-10,-394.95
BUTTON_LED_2: Q6.3 R20.2 | length 1524.1
  Top Layer w15: v1(-550,685) R20.2@-550,737.6 ; v1@150.63,-400 Q6.3@185.63,-400
  Bottom Layer w15: v1(-550,685) -400,535 -400,215.05 -174.5,-10.45 -174.5,-196.61 28.89,-400 v1(140.63,-400)
BUTTON_PWM_0: Q5.1 U2.5 | length 291.7
  Top Layer w15: Q5.1@114.37,-437.4 207.4,-437.4 222.83,-452.83 U2.5@222.83,-629.72
BUTTON_PWM_1: Q6.1 U2.4 | length 219.9
  Top Layer w15: Q6.1@264.37,-437.4 285.12,-437.4 301.57,-453.86 U2.4@301.57,-629.72
DR_SW_1: D14.3 R27.1 R29.2 U3.4 | length 1060
  Top Layer w15: R27.1@-1212.6,550 -1175,550 -1170,555 -1170,440 -1155,425 D14.3@-1014.37,425 -900,425 -870,395 -870,330 -675,135 U3.4@-675,20.87 ; R29.2@-1212.6,650 -1180,650 -1170,640 -1170,560
DR_SW_2: D16.3 R33.1 R35.2 U3.3 | length 812.7
  Top Layer w15: R33.1@-1212.6,150 -1180,150 -1170,160 -1170,250 ; R35.2@-1212.6,250 -1170,250 ; U3.3@-725,20.87 -725,135 -865,275 D16.3@-1014.37,275 -1155,275 -1170,260 -1170,250
DR_SW_3: D15.3 R28.1 R30.2 U3.2 | length 907.8
  Top Layer w15: R28.1@-1212.6,-250 -1180,-250 -1170,-240 -1170,-160 ; R30.2@-1212.6,-150 -1180,-150 -1170,-160 ; U3.2@-775,20.87 -775,100 -800,125 D15.3@-1014.37,125 -1110,125 -1130,105 -1130,-120 -1170,-160
DR_SW_4: D17.3 R34.1 R36.2 U3.1 | length 1153.2
  Top Layer w15: R34.1@-1212.6,-650 -1180,-650 -1170,-640 -1170,-550 ; R36.2@-1212.6,-550 -1170,-550 ; U3.1@-825,20.87 -825,75 -835,85 -850,85 -862.5,72.5 -862.5,-7.5 -880,-25 D17.3@-1014.37,-25 -1090,-25 -1105,-40 -1105,-130 -1125,-150 -1125,-475 -1170,-520 -1170,-550
DRBTTN_1: R15.2 U3.28 | length 284.7
  Top Layer w15: U3.28@-825,379.13 -825,465 -787.5,502.5 -757.5,502.5 -750,510 ; -750,510 R15.2@-750,562.6 -750,510
DRBTTN_2: R16.2 U3.27 | length 368.8
  Top Layer w15: U3.27@-775,379.13 v1(-775,475) ; v1(-750,685) R16.2@-750,737.6
  Bottom Layer w15: v1(-775,475) -750,500 v1(-750,685)
DRBTTN_3: R17.2 U3.26 | length 232.1
  Top Layer w15: U3.26@-725,379.13 -725,465 -687.5,502.5 -657.5,502.5 -650,510 R17.2@-650,562.6
DRBTTN_4: R18.2 U3.25 | length 368.8
  Top Layer w15: U3.25@-675,379.13 v1(-675,475) ; v1(-650,685) R18.2@-650,737.6
  Bottom Layer w15: v1(-675,475) -650,500 v1(-650,685)